# Altium PCB STB_SensorBoard.PcbDoc (part 1 of 4) (continued)
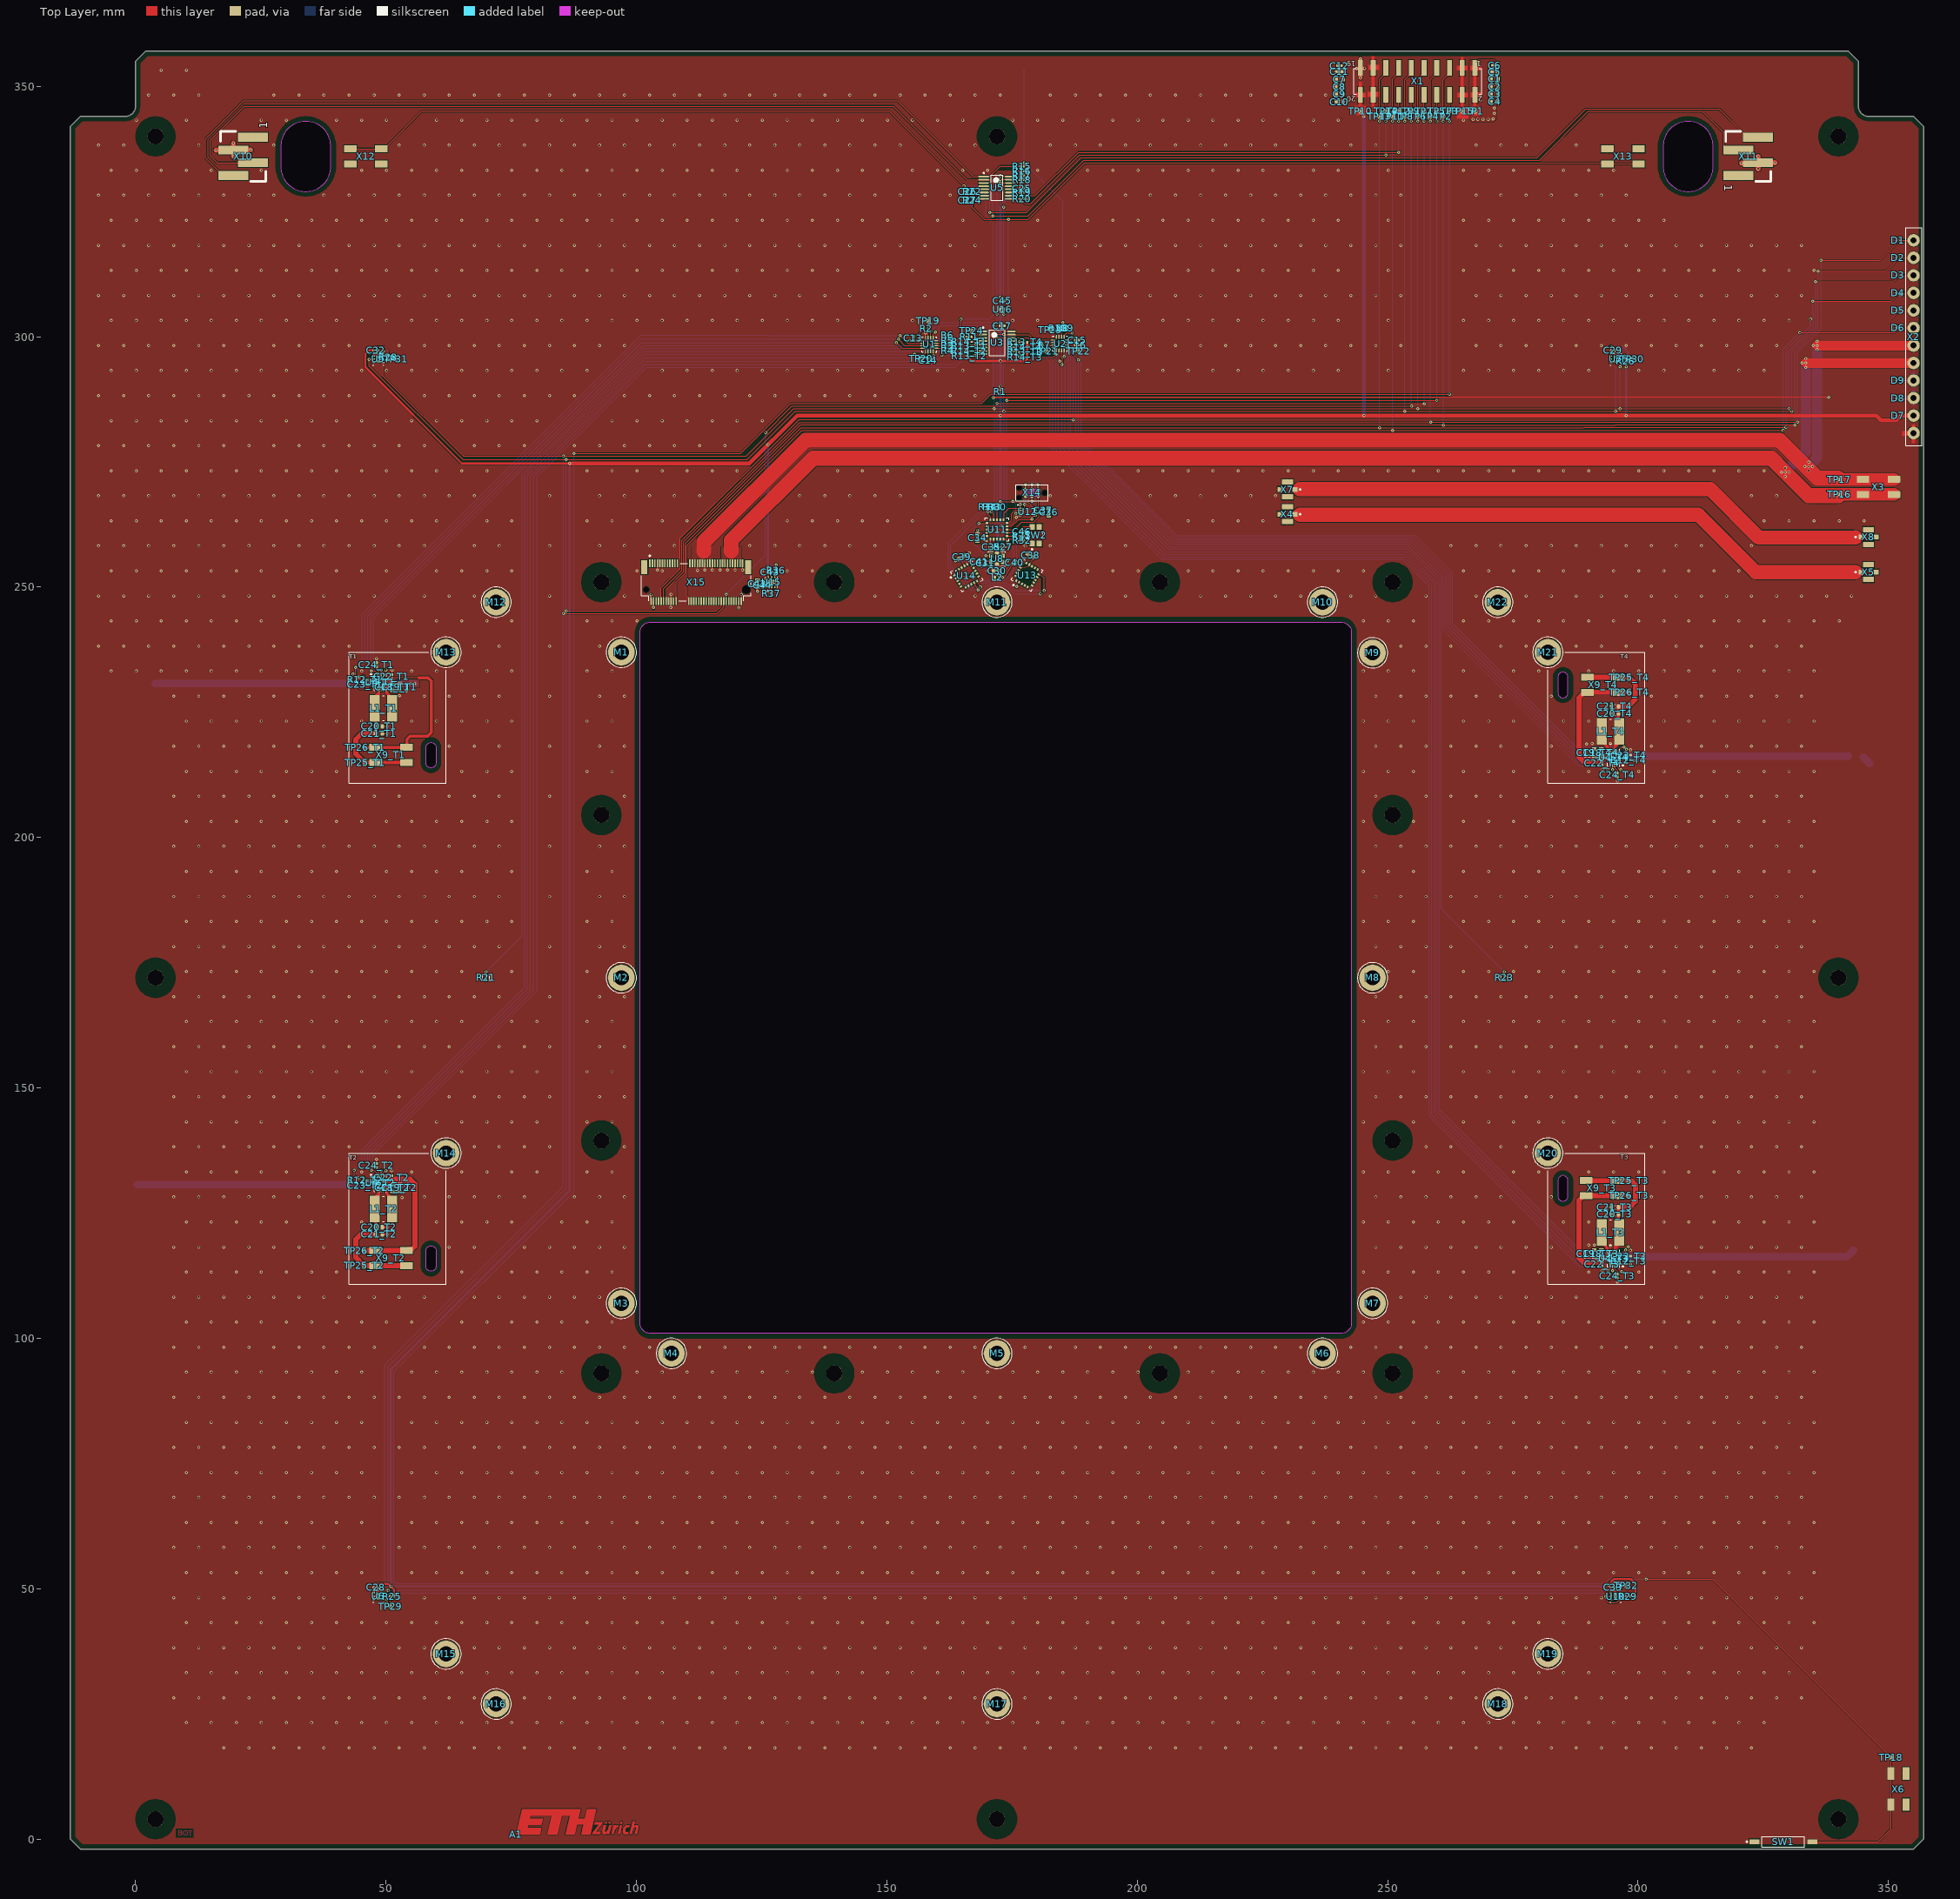
[diagram p0: Top Layer view]
## Part data (continued)
C6 C12 C13 C14 C15 C16 C17 C22_T1 C22_T2 C22_T3 C22_T4 C23_T1 C23_T2 C23_T3 C23_T4 C24_T1 C24_T2 C24_T3 C24_T4 C25 C28 C29 C31 C32 C33 C35 C37 C40 C41 C43 C44 C45 C46: library part CMP-2000-05439-1, "Chip Capacitor, 100 nF, +/- 10%, 16 V, -55 to 125 degC, 0402 (1005 Metric), RoHS, Tape and Reel", Capacitor Type=Ceramic, Case Size/Dimension=0402, Dielectric=X7R, Manufacturer="Samsung Electro-Mechanics", Manufacturer Part Number=CL05B104KO5NNNC, Max Operating Temperature=125°C, Min Operating Temperature=-55°C, Negative Tolerance=10%, Package Shape=Rectangular, Package Style=SMTMeter, Rated DC Voltage (URdc)=16V, Supplier Part Number 1=1276-1001-6-ND, Tolerance (%)=±10%, Category="Ceramic Capacitors", ComponentLink1Description=https://datasheet.ciiva.com:443/pdfs/VipMasterIC/IC/SEMS/SEMS-S-A0008384515/SEMS-S-A0008872921-1.pdf?src-supplier=IHS+Markit, ComponentLink1URL=https://datasheet.ciiva.com:443/pdfs/VipMasterIC/IC/SEMS/SEMS-S-A0008384515/SEMS-S-A0008872921-1.pdf?src-supplier=IHS+Markit, ComponentLink2Description=https://datasheet.ciiva.com/26920/getdatasheetpartid-359683-26920169.pdf?src-supplier=Verical, ComponentLink2URL=https://datasheet.ciiva.com/26920/getdatasheetpartid-359683-26920169.pdf?src-supplier=Verical, ComponentLink3Description=https://datasheet.ciiva.com/29198/458718-da-01-en-vs-kondensator-0402-29198423.pdf?src-supplier=Conrad, ComponentLink3URL=https://datasheet.ciiva.com/29198/458718-da-01-en-vs-kondensator-0402-29198423.pdf?src-supplier=Conrad, ComponentLink4Description=https://datasheet.ciiva.com/26309/mlcc-catalogdownload2013-eng-26309003.pdf?src-supplier=Distrelec, ComponentLink4URL=https://datasheet.ciiva.com/26309/mlcc-catalogdownload2013-eng-26309003.pdf?src-supplier=Distrelec, ComponentLink5Description=https://datasheet.ciiva.com/16208/cl05b104kq5nnnc-16208343.pdf?src-supplier=Future+Electronics, ComponentLink5URL=https://datasheet.ciiva.com/16208/cl05b104kq5nnnc-16208343.pdf?src-supplier=Future+Electronics, Datasheet URL=https://datasheet.ciiva.com/29198/458718-da-01-en-vs-kondensator-0402-29198423.pdf, Datasheet Version=Nov-10, Dielectric Material=Ceramic, Height=0.55mm, JESD-609 Code=e3, Length=1mm, Manufacturer URL=http://www.samsungsem.com/global/index.jsp, Mount="Surface Mount", Multilayer=Yes, Number of Pins=2, Packaging="Tape and Reel", Positive Tolerance=10%, Pricing 1="1=0.10000, 10=0.02400, 50=0.01300, 100=0.01050, 500=0.00752, 1000=0.00592, 2500=0.00538, 5000=0.00495 (USD)", Rated Voltage=16V, REACH SVHC=Yes, RoHS=Yes, RoHS Compliant=Yes, Size Code=0402, Stock 1=24854634, Supplier 1=Digi-Key, Temperature Characteristics Code=X7R, Terminal Finish=Nickel, Termination=Wraparound, Width=0.5mm
C26 C27: library part CMP-2008-02464-1, Capacitor Type=Ceramic, Manufacturer="AVX Interconnect / Elco", Manufacturer Part Number=04023A101KAT2A, Max Operating Temperature=125°C, Min Operating Temperature=-55°C, Negative Tolerance=10%, Package Shape=Rectangular, Package Style=SMTMeter, Rated DC Voltage (URdc)=25V, Supplier Part Number 1=478-12608-6-ND, Temperature Characteristics Code=C0G, Category="Ceramic Capacitors", ComponentLink1Description=https://datasheet.ciiva.com:443/pdfs/VipMasterIC/IC/AVXC/AVXC-S-A0008899940/AVXC-S-A0008899940-1.pdf?src-supplier=IHS+Markit, ComponentLink1URL=https://datasheet.ciiva.com:443/pdfs/VipMasterIC/IC/AVXC/AVXC-S-A0008899940/AVXC-S-A0008899940-1.pdf?src-supplier=IHS+Markit, ComponentLink2Description=https://datasheet.ciiva.com/26949/getdatasheetpartid-709922-26949850.pdf?src-supplier=Verical, ComponentLink2URL=https://datasheet.ciiva.com/26949/getdatasheetpartid-709922-26949850.pdf?src-supplier=Verical, ComponentLink3Description=https://datasheet.ciiva.com/206/ccog-206339.pdf?src-supplier=Digi-Key, ComponentLink3URL=https://datasheet.ciiva.com/206/ccog-206339.pdf?src-supplier=Digi-Key, ComponentLink4Description=https://datasheet.ciiva.com/7348/759117-7348584.pdf?src-supplier=Newark, ComponentLink4URL=https://datasheet.ciiva.com/7348/759117-7348584.pdf?src-supplier=Newark, ComponentLink5Description=https://datasheet.ciiva.com/2990/ccog-2990123.pdf?src-supplier=Avnet, ComponentLink5URL=https://datasheet.ciiva.com/2990/ccog-2990123.pdf?src-supplier=Avnet, ComponentLink6Description=https://datasheet.ciiva.com/28453/1796416-28453629.pdf?src-supplier=Element14, ComponentLink6URL=https://datasheet.ciiva.com/28453/1796416-28453629.pdf?src-supplier=Element14, Dielectric Material=Ceramic, Height=0.56mm, JESD-609 Code=e3, Length=1mm, Mount="Surface Mount", Multilayer=Yes, Number of Pins=2, Packaging="Tape and Reel", Part Number=04023A101KAT2A, Positive Tolerance=10%, Pricing 1="1=0.11000, 10=0.07800, 50=0.04240, 100=0.03460, 500=0.02474, 1000=0.01944, 2500=0.01768, 5000=0.01626 (USD)", REACH SVHC=Yes, RoHS=Yes, RoHS Compliant=Yes, Size Code=0402, Stock 1=32266, Supplier 1=Digi-Key, Terminal Finish=Nickel, Termination=Wraparound, Width=0.5mm
C30 C34 C36 C38 C39: library part CMP-2006-02298-2, Capacitor Type=Ceramic, Manufacturer=Kemet, Manufacturer Part Number=C0603C105K4RACTU, Max Operating Temperature=125°C, Min Operating Temperature=-55°C, Negative Tolerance=10%, Package Shape=Rectangular, Package Style=SMTMeter, Rated DC Voltage (URdc)=16V, Supplier Part Number 1=399-C0603C105K4RAC7867DKR-ND, Temperature Characteristics Code=X7R, Category="Ceramic Capacitors", ComponentLink1Description=https://datasheet.ciiva.com:443/pdfs/VipMasterIC/IC/KEME/KEME-S-A0008991654/KEME-S-A0008991654-1.pdf?src-supplier=IHS+Markit, ComponentLink1URL=https://datasheet.ciiva.com:443/pdfs/VipMasterIC/IC/KEME/KEME-S-A0008991654/KEME-S-A0008991654-1.pdf?src-supplier=IHS+Markit, Dielectric Material=Ceramic, Height=0.8mm, JESD-609 Code=e3, Length=1.6mm, Mount="Surface Mount", Multilayer=Yes, Number of Pins=2, Packaging="Tape and Reel", Part Number=C0603C105K4RACTU, Positive Tolerance=10%, Pricing 1="1=0.10000, 10=0.07700, 50=0.04180, 100=0.03410, 500=0.02440, 1000=0.01916 (USD)", REACH SVHC=Yes, RoHS=Yes, RoHS Compliant=Yes, Size Code=0603, Stock 1=1549593, Supplier 1=Digi-Key, Terminal Finish=Nickel, Termination=Wraparound, Width=0.8mm
D1 D2 D3 D4 D5 D6 D7: library part CMP-1063-00117-1, "Transient Voltage Suppressor, ESD Protection Diode with Ultra-Low Leakage, 2-Pin SOD-923, Pb-Free, Tape and Reel", Breakdown Voltage-Nom=4.8V, Clamping Voltage-Max=7.8V, Manufacturer="On Semiconductor", Manufacturer Part Number=SZESD9R3.3ST5G, Rep Pk Reverse Voltage-Max=3.3V, Supplier Part Number 1=SZESD9R3.3ST5GOSDKR-ND, C Max (pF)=0.9, Category="ESD and Circuit Protection ICs", ComponentLink1Description="Manufacturer URL", ComponentLink1URL=http://www.onsemi.com/, ComponentLink2Description=Datasheet, ComponentLink2URL=http://www.onsemi.com/pub_link/Collateral/ESD9R3.3S-D.PDF, ComponentLink3Description="Package Specification", ComponentLink3URL=http://www.onsemi.com/pub_link/Collateral/514AB.PDF, ComponentLink4Description=https://datasheet.ciiva.com:443/pdfs/VipMasterIC/IC/ONSM/ONSM-S-A0003514262/ONSM-S-A0003583458-1.pdf?src-supplier=IHS+Markit, ComponentLink4URL=https://datasheet.ciiva.com:443/pdfs/VipMasterIC/IC/ONSM/ONSM-S-A0003514262/ONSM-S-A0003583458-1.pdf?src-supplier=IHS+Markit, ComponentLink5Description=https://datasheet.ciiva.com/24087/esd9r3-3s-d-241663-24087547.pdf?src-supplier=Mouser, ComponentLink5URL=https://datasheet.ciiva.com/24087/esd9r3-3s-d-241663-24087547.pdf?src-supplier=Mouser, DatasheetVersion="Rev. 1", Diode Type="TRANS VOLTAGE SUPPRESSOR", Direction=Unidirectional, IR Max (uA)=0.001, JESD-609 Code=e3, Moisture Sensitivity Level=1, Mounting Technology="Surface Mount", Number of Lines=1, PackageDescription="2-Pin SOD, Body 0.8 x 0.6 mm", PackageReference=SOD-923-2-514AB-01, PackageVersion="Rev. C, 03/2011", Packing="Tape and Reel", PartNumber=ESD9R3.3ST5G, Polarity=Unidirectional, Pricing 1="1=0.61000, 10=0.52500, 100=0.39180, 500=0.30782, 1000=0.23786, 2000=0.21688 (USD)", REACH SVHC=Yes, RoHS=Pb-Free, RoHS Compliant=Yes, Stock 1=31698, Supplier 1=Digi-Key, Surface Mount=Yes, Terminal Finish=Tin, V(BR) Min (V)=4.8, VRWM Max (V)=3.3
D8: library part CMP-1063-00110-1, "Transient Voltage Suppressor, Micro-Packaged Diode for ESD Protection, 2-Pin SOD-923, Pb-Free, Tape and Reel", Manufacturer="On Semiconductor", Max Operating Temperature=150°C, Max Power Dissipation=150mW, Min Breakdown Voltage=11V, Min Operating Temperature=-55°C, Package Body Material=Plastic, Package Shape=Rectangular, Package Style="SMALL OUTLINEMeter", Peak Reflow Temperature (Cel)=260°C, Rep Pk Reverse Voltage-Max=5V, Supplier Part Number 1=ESD9C5.0ST5GOSDKR-ND, Time @ Peak Reflow Temperature-Max (s)=40s, C Max (pF)=6.2, Category="ESD and Circuit Protection ICs", ComponentLink1Description="Manufacturer URL", ComponentLink1URL=http://www.onsemi.com/, ComponentLink2Description=Datasheet, ComponentLink2URL=http://www.onsemi.cn/pub_link/Collateral/ESD9C3.3S-D.PDF, ComponentLink3Description="Package Specification", ComponentLink3URL=http://www.onsemi.com/pub_link/Collateral/514AB.PDF, ComponentLink4Description=https://datasheet.ciiva.com:443/pdfs/VipMasterIC/IC/ONSM/ONSM-S-A0003514262/ONSM-S-A0003579756-1.pdf?src-supplier=IHS+Markit, ComponentLink4URL=https://datasheet.ciiva.com:443/pdfs/VipMasterIC/IC/ONSM/ONSM-S-A0003514262/ONSM-S-A0003579756-1.pdf?src-supplier=IHS+Markit, ComponentLink5Description=https://datasheet.ciiva.com/1219/1748974-1219321.pdf?src-supplier=Newark, ComponentLink5URL=https://datasheet.ciiva.com/1219/1748974-1219321.pdf?src-supplier=Newark, ComponentLink6Description=https://datasheet.ciiva.com/4509/esd9c3-3s-d-241629-4509822.pdf?src-supplier=Mouser, ComponentLink6URL=https://datasheet.ciiva.com/4509/esd9c3-3s-d-241629-4509822.pdf?src-supplier=Mouser, ComponentLink7Description=https://datasheet.ciiva.com/15143/getdatasheetpartid-53763-15143125.pdf?src-supplier=Verical, ComponentLink7URL=https://datasheet.ciiva.com/15143/getdatasheetpartid-53763-15143125.pdf?src-supplier=Verical, ComponentLink8Description=https://datasheet.ciiva.com/339/esd9c3-3s-d-339778.pdf?src-supplier=Digi-Key, ComponentLink8URL=https://datasheet.ciiva.com/339/esd9c3-3s-d-339778.pdf?src-supplier=Digi-Key, ComponentLink9Description=https://datasheet.ciiva.com/11195/esd9c3-3s-d-11195341.pdf?src-supplier=Avnet, ComponentLink9URL=https://datasheet.ciiva.com/11195/esd9c3-3s-d-11195341.pdf?src-supplier=Avnet, ComponentLink10Description=https://datasheet.ciiva.com/339/esd9c3-3s-d-339779.pdf?src-supplier=Digi-Key, ComponentLink10URL=https://datasheet.ciiva.com/339/esd9c3-3s-d-339779.pdf?src-supplier=Digi-Key, ComponentLink11Description=https://datasheet.ciiva.com/339/esd9c3-3s-d-339780.pdf?src-supplier=Digi-Key, ComponentLink11URL=https://datasheet.ciiva.com/339/esd9c3-3s-d-339780.pdf?src-supplier=Digi-Key, DatasheetVersion="Rev. 3", Diode Element Material=SILICON, Diode Type="TRANS VOLTAGE SUPPRESSOR", Direction=Unidirectional, IR Max (uA)=0.5, JESD-30 Code=R-PDSO-F2, JESD-609 Code=e3, Manufacturer Part Number=ESD9C5.0ST5G, Moisture Sensitivity Level=1, Mounting Technology="Surface Mount", Number of Elements=1, Number of Lines=1, Number of Pins=2, PackageDescription="2-Pin SOD, Body 0.8 x 0.6 mm", PackageReference=SOD-923-2-514AB-01, PackageVersion="Rev. C, 03/2011", Packing="Tape and Reel", PartNumber=ESD9C5.0ST5G, Polarity=Unidirectional, Pricing 1="1=0.38000, 10=0.30900, 100=0.16370, 500=0.10772, 1000=0.07325, 2000=0.06607 (USD)", Qualification Status="Not Qualified", REACH SVHC=Yes, Reference Standard=AEC-Q101, RoHS=Pb-Free, RoHS Compliant=Yes, Stock 1=345553, Supplier 1=Digi-Key, Surface Mount=Yes, Technology=AVALANCHE, Terminal Finish=Tin, Terminal Form=Flat, Terminal Position=DUAL, V(BR) Min (V)=11, VRWM Max (V)=5
D9: library part CMP-1063-00105-1, "Transient Voltage Suppressor, Micro-Packaged Diode for ESD Protection, 2-Pin SOD-923, Pb-Free, Tape and Reel", Clamping Voltage-Max=23.7V, Manufacturer="On Semiconductor", Max Operating Temperature=150°C, Max Power Dissipation=150mW, Min Breakdown Voltage=13.5V, Min Operating Temperature=-55°C, Non-rep Peak Rev Power Dis-Max=140W, Package Body Material=Plastic, Package Shape=Rectangular, Package Style="SMALL OUTLINEMeter", Peak Reflow Temperature (Cel)=260°C, Rep Pk Reverse Voltage-Max=12V, Time @ Peak Reflow Temperature-Max (s)=40s, Category="ESD and Circuit Protection ICs", ComponentLink1Description="Manufacturer URL", ComponentLink1URL=http://www.onsemi.com/, ComponentLink2Description=Datasheet, ComponentLink2URL=http://www.onsemi.com/pub_link/Collateral/ESD9X3.3ST5G-D.PDF, ComponentLink3Description="Package Specification", ComponentLink3URL=http://www.onsemi.com/pub_link/Collateral/514AA.PDF, ComponentLink4Description=https://datasheet.ciiva.com:443/pdfs/VipMasterIC/IC/ONSM/ONSM-S-A0003579749/ONSM-S-A0003579749-1.pdf?src-supplier=IHS+Markit, ComponentLink4URL=https://datasheet.ciiva.com:443/pdfs/VipMasterIC/IC/ONSM/ONSM-S-A0003579749/ONSM-S-A0003579749-1.pdf?src-supplier=IHS+Markit, ComponentLink5Description=https://datasheet.ciiva.com/6577/esd9x3-3st5g-d-6577990.pdf?src-supplier=Digi-Key, ComponentLink5URL=https://datasheet.ciiva.com/6577/esd9x3-3st5g-d-6577990.pdf?src-supplier=Digi-Key, ComponentLink6Description=https://datasheet.ciiva.com/16393/esd9x3-3st5g-d-16393983.pdf?src-supplier=Future+Electronics, ComponentLink6URL=https://datasheet.ciiva.com/16393/esd9x3-3st5g-d-16393983.pdf?src-supplier=Future+Electronics, ComponentLink7Description=https://datasheet.ciiva.com/353/esd9x3-3st5g-d-353784.pdf?src-supplier=Digi-Key, ComponentLink7URL=https://datasheet.ciiva.com/353/esd9x3-3st5g-d-353784.pdf?src-supplier=Digi-Key, ComponentLink8Description=https://datasheet.ciiva.com/353/esd9x3-3st5g-d-353785.pdf?src-supplier=Digi-Key, ComponentLink8URL=https://datasheet.ciiva.com/353/esd9x3-3st5g-d-353785.pdf?src-supplier=Digi-Key, DatasheetVersion="Rev. 7", Diode Element Material=SILICON, Diode Type="TRANS VOLTAGE SUPPRESSOR", Direction=Unidirectional, IR Max (uA)=1, JESD-30 Code=R-PDSO-F2, JESD-609 Code=e3, Manufacturer Part Number=ESD9X12ST5G, Moisture Sensitivity Level=1, Mounting Technology="Surface Mount", Number of Elements=1, Number of Lines=1, Number of Pins=2, PackageDescription="2-Pin SOD, Body 0.8 x 0.6 mm", PackageReference=SOD-923-2-514AA-01, PackageVersion="Rev. E, 03/2011", Packing="Tape and Reel", PartNumber=ESD9X12ST5G, Polarity=Unidirectional, PPK Max (W)=140, Pricing 2="1=0.30000, 10=0.24400, 100=0.12930, 500=0.08506, 1000=0.05784, 2000=0.05218 (USD)", Qualification Status="Not Qualified", REACH SVHC=Yes, RoHS=Pb-Free, RoHS Compliant=Yes, Stock 2=71759, Supplier 1=Digi-Key, Supplier 2=Digi-Key, Supplier Part Number 2=ESD9X12ST5GOSDKR-ND, Surface Mount=Yes, Technology=AVALANCHE, Terminal Finish=Tin, Terminal Form=Flat, Terminal Position=DUAL, V(BR) Min (V)=13.5, VRWM Max (V)=12
L1_T1 L1_T2 L1_T3 L1_T4: library part CMP-0227-00328-1, "SMD Shielded Tiny Power Inductor WE-TPC, L = 1.00 µH", Case/Size Code=1919, DC Resistance (DCR)=30mR, Inductance-Nom (L)=1uH, Inductor Application="POWER INDUCTOR", Inductor Type="GENERAL PURPOSE INDUCTOR", Manufacturer="Wurth Electronics", Max Operating Temperature=115°C, Min Operating Temperature=-40°C, Package Height=1.8mm, Package Length=4.8mm, Package Style=SMTMeter, Rated Current-Max=2.7A, Self Resonant Frequency=177MHz, Supplier Part Number 1=732-1016-6-ND, Test Frequency=100kHz, Tolerance=30%, Category="Fixed Inductors", ComponentLink1Description="Manufacturer Link", ComponentLink1URL=http://www.we-online.com, ComponentLink2Description=Datasheet, ComponentLink2URL=http://www.we-online.de/katalog/media/pdf/744042001.pdf, ComponentLink3Description=https://datasheet.ciiva.com:443/pdfs/VipMasterIC/IC/MIDC/MIDC-S-A0002801410/MIDC-S-A0002801410-1.pdf?src-supplier=IHS+Markit, ComponentLink3URL=https://datasheet.ciiva.com:443/pdfs/VipMasterIC/IC/MIDC/MIDC-S-A0002801410/MIDC-S-A0002801410-1.pdf?src-supplier=IHS+Markit, ComponentLink4Description=https://datasheet.ciiva.com/1050/744042001-1050944.pdf?src-supplier=Digi-Key, ComponentLink4URL=https://datasheet.ciiva.com/1050/744042001-1050944.pdf?src-supplier=Digi-Key, ComponentLink5Description=https://datasheet.ciiva.com/13320/744042001-88941-13320769.pdf?src-supplier=Mouser, ComponentLink5URL=https://datasheet.ciiva.com/13320/744042001-88941-13320769.pdf?src-supplier=Mouser, ComponentLink6Description=https://datasheet.ciiva.com/11800/0900766b8079f7ba-11800328.pdf?src-supplier=RSComponents, ComponentLink6URL=https://datasheet.ciiva.com/11800/0900766b8079f7ba-11800328.pdf?src-supplier=RSComponents, ComponentLink7Description=https://datasheet.ciiva.com/48690/001087162-da-01-ml-we-tpc-smd-speicherdrossel-7440420-de-en-48690965.pdf?src-supplier=Conrad, ComponentLink7URL=https://datasheet.ciiva.com/48690/001087162-da-01-ml-we-tpc-smd-speicherdrossel-7440420-de-en-48690965.pdf?src-supplier=Conrad, Construction=Chip, Core Material=Ferrite, DatasheetVersion="ver 6, Aug-2010", JESD-609 Code=e3, Manufacturer Part Number=744042001, Number of Functions=1, Number of Pins=2, Package Width=4.8mm, PackageDescription="SMD Inductor, 2-Leads, Body 4.8 x 4.8 mm", PackageReference=WE-TPC-4818-M, PackageVersion=2010, Packaging="Tape and Reel", Pricing 1="1=1.53000, 10=1.48100, 50=1.29600, 100=1.18500 (USD)", REACH SVHC=Yes, RoHS=Yes, RoHS Compliant=Yes, Shape/Size Description="RECTANGULAR PACKAGE", Shielding=Unshielded, Stock 1=38231, Supplier 1=Digi-Key, Surface Mount=Yes, Terminal Finish=Tin, Terminal Placement="Dual Ended", Termination="One Surface"
L2: library part CMP-00193-1, "30 Ohm 1 Power, Signal Line Ferrite Bead 0402 (1005 Metric) 500mA 300 mOhm Max DCR", Current Rating (Max)=500mA, DC Resistance (DCR) (Max)="300 mOhm", Impedance @ Frequency="30 Ohm @ 100MHz", Manufacturer="Laird-Signal Integrity Products", Operating Temperature="-40°C ~ 125°C", Package / Case="0402 (1005 Metric)", Ratings=-, Supplier Part Number=240-2362-1-ND, ComponentLink1Description=Catalog_EMI%20Filtering%20&%20RF%20Inductors.pdf, ComponentLink1URL=http://cdn.lairdtech.com/home/brandworld/files/Catalog_EMI%20Filtering%20&%20RF%20Inductors.pdf, Filter Type="Power, Signal Line", Manufacturer Part Number=LI0402E300R-10, Mounting Type="Surface Mount", Number of Lines=1, Packaging="Cut Tape (CT)", Part Status=Active, Supplier=Digi-Key
M1 M2 M3 M4 M5 M6 M7 M8 M9 M10 M11 M12 M13 M14 M15 M16 M17 M18 M19 M20 M21 M22: library part CMP-01222-1, "RND STANDOFF M2X0.4 STEEL 1.5MM", Manufacturer="Wurth Electronics", Supplier Part Number 1=732-7069-1-ND, Category="Spacers, Standoffs", ComponentLink1Description=http://www.mouser.com/ds/2/445/9774015243R-611439.pdf?src-supplier=Mouser, ComponentLink1URL=http://www.mouser.com/ds/2/445/9774015243R-611439.pdf?src-supplier=Mouser, ComponentLink2Description=http://www.farnell.com/datasheets/1960361.pdf?src-supplier=Farnell, ComponentLink2URL=http://www.farnell.com/datasheets/1960361.pdf?src-supplier=Farnell, ComponentLink3Description=https://media.digikey.com/pdf/Data%20Sheets/Wurth%20Electronics%20PDFs/WA-SMSx_Performance_Flyer.pdf?src-supplier=Digi-Key, ComponentLink3URL=https://media.digikey.com/pdf/Data%20Sheets/Wurth%20Electronics%20PDFs/WA-SMSx_Performance_Flyer.pdf?src-supplier=Digi-Key, ComponentLink4Description=http://www.farnell.com/datasheets/1960361.pdf?src-supplier=Element14, ComponentLink4URL=http://www.farnell.com/datasheets/1960361.pdf?src-supplier=Element14, ComponentLink5Description=https://katalog.we-online.de/em/datasheet/9774015243R.pdf?src-supplier=Digi-Key, ComponentLink5URL=https://katalog.we-online.de/em/datasheet/9774015243R.pdf?src-supplier=Digi-Key, ComponentLink6Description=http://www.farnell.com/datasheets/1960361.pdf?src-supplier=Newark, ComponentLink6URL=http://www.farnell.com/datasheets/1960361.pdf?src-supplier=Newark, Length=0.114inch, Manufacturer Part Number=9774015243R, Material=Steel, Outside Diameter=0.171inch, Plating=Tin, Pricing 1="1=1.09000, 10=1.03000, 50=0.91800, 100=0.84000, 500=0.78400 (USD)", REACH SVHC=Unknown, RoHS=Yes, Stock 1=6453, Supplier 1=Digi-Key, Threaded/Unthreaded=Threaded
R1 R2 R7 R11 R12_T1 R12_T2 R12_T3 R12_T4 R13_T1 R13_T2 R13_T3 R13_T4 R14_T1 R14_T2 R14_T3 R14_T4 R19 R20 R25 R26 R27 R28 R29 R30 R31 R32 R33 R34: library part CMP-2000-07588-1, "Chip Resistor, 10 KOhm, +/- 1%, 0.1 W, -55 to 155 degC, 0402 (1005 Metric), RoHS, Tape and Reel", Case Code (Imperial)=0402, Case Code (Metric)=1005, Manufacturer=Panasonic, Manufacturer Part Number=ERJ-2RKF1002X, Max Operating Temperature=155degC, Max Power Dissipation=100mW, Min Operating Temperature=-55degC, Package Description="2-Pin Surface Mount Device, Body 1 x 0.5 mm", Package Height=0.35mm, Package Length=1mm, Package Quantity=1, Package Reference=402, Package Shape=Rectangular, Package Style=SMTMeter, Package Width=0.5mm, Rated Temperature=70°C, Resistor Type="FIXED RESISTOR", Supplier Part Number 1=P10.0KLDKR-ND, Temperature Coefficient=100ppm\/degreesC, Tolerance=1%, Voltage Rating=50V, Case\/Package=0402, Category="Chip SMD Resistors", ComponentLink1Description=https://datasheet.ciiva.com:443/pdfs/VipMasterIC/IC/PANA/PANA-S-A0009889626/PANA-S-A0009889626-1.pdf?src-supplier=IHS+Markit, ComponentLink1URL=https://datasheet.ciiva.com:443/pdfs/VipMasterIC/IC/PANA/PANA-S-A0009889626/PANA-S-A0009889626-1.pdf?src-supplier=IHS+Markit, ComponentLink2Description=https://datasheet.ciiva.com/11821/0900766b80f80784-11821171.pdf?src-supplier=RSComponents, ComponentLink2URL=https://datasheet.ciiva.com/11821/0900766b80f80784-11821171.pdf?src-supplier=RSComponents, ComponentLink3Description=https://datasheet.ciiva.com/27055/1987020-27055643.pdf?src-supplier=Jameco, ComponentLink3URL=https://datasheet.ciiva.com/27055/1987020-27055643.pdf?src-supplier=Jameco, ComponentLink4Description=https://datasheet.ciiva.com/43467/1678782-43467402.pdf?src-supplier=Farnell, ComponentLink4URL=https://datasheet.ciiva.com/43467/1678782-43467402.pdf?src-supplier=Farnell, ComponentLink5Description=https://datasheet.ciiva.com/28514/1678782-28514185.pdf?src-supplier=Element14, ComponentLink5URL=https://datasheet.ciiva.com/28514/1678782-28514185.pdf?src-supplier=Element14, ComponentLink6Description=https://datasheet.ciiva.com/24023/aoa0000ce2-24023017.pdf?src-supplier=Mouser, ComponentLink6URL=https://datasheet.ciiva.com/24023/aoa0000ce2-24023017.pdf?src-supplier=Mouser, ComponentLink7Description=https://datasheet.ciiva.com/16782/70260748-16782590.pdf?src-supplier=Allied+Electronics, ComponentLink7URL=https://datasheet.ciiva.com/16782/70260748-16782590.pdf?src-supplier=Allied+Electronics, ComponentLink8Description=https://datasheet.ciiva.com/16786/70260748-16786734.pdf?src-supplier=Allied+Electronics, ComponentLink8URL=https://datasheet.ciiva.com/16786/70260748-16786734.pdf?src-supplier=Allied+Electronics, ComponentLink9Description=https://datasheet.ciiva.com/9194/aoa0000ce2-9194142.pdf?src-supplier=Avnet, ComponentLink9URL=https://datasheet.ciiva.com/9194/aoa0000ce2-9194142.pdf?src-supplier=Avnet, ComponentLink10Description=https://datasheet.ciiva.com/16199/aoa0000ce2-16199478.pdf?src-supplier=Future+Electronics, ComponentLink10URL=https://datasheet.ciiva.com/16199/aoa0000ce2-16199478.pdf?src-supplier=Future+Electronics, ComponentLink11Description=https://datasheet.ciiva.com/48531/aoa0000ce2-48531069.pdf?src-supplier=Avnet, ComponentLink11URL=https://datasheet.ciiva.com/48531/aoa0000ce2-48531069.pdf?src-supplier=Avnet, ComponentLink12Description=https://datasheet.ciiva.com/30201/aoa0000ce2-30201022.pdf?src-supplier=Onlinecomponents.com, ComponentLink12URL=https://datasheet.ciiva.com/30201/aoa0000ce2-30201022.pdf?src-supplier=Onlinecomponents.com, Composition=ThickFilm, Construction=Rectangular, Contact Plating=Tin, Datasheet URL=https://industrial.panasonic.com/cdbs/www-data/pdf/RDA0000/AOA0000C304.pdf, Datasheet Version=02/2017, Depth=0.5mm, Height=0.35mm, JESD-609 Code=e3, Lead Free=LeadFree, Length=1mm, Manufacturer URL=http://www.panasonic.com/, Military Standard=Not, Mount=SurfaceMount, Mounting Technology=SurfaceMount, Number of Pins=2, Number of Terminations=2, Packaging=TapeandReel, Power Rating=100mW, Pricing 1="1=0.10000, 10=0.03300, 100=0.01330, 1000=0.00599, 2500=0.00520, 5000=0.00429 (USD)", Radiation Hardening=No, Rated Power Dissipation (P)=100mW, REACH SVHC=NoSVHC, Reference Standard=AEC-Q200, RoHS=Yes, RoHS Compliant=Yes, RoHSCompliant=True, Size Code=0402, Stock 1=108, Supplier 1=Digi-Key, Technology="METAL GLAZE/THICK FILM", Terminal Finish=Nickel, Termination=SMD/SMT, Voltage Rating (DC)=50V, Width=0.02inch, Working Voltage=50V
R3 R4 R6 R9 R10 R36: library part CMP-2002-07343-1, Manufacturer="Yageo / Phycomp", Manufacturer Part Number=RC0402FR-07100KL, Max Operating Temperature=155°C, Min Operating Temperature=-55°C, Package Height=0.35mm, Package Length=1mm, Package Shape=Rectangular, Package Style=SMTMeter, Package Width=0.5mm, Rated Power Dissipation (P)=62.5mW, Rated Temperature=70°C, Resistor Type="FIXED RESISTOR", Supplier Part Number 1=311-100KLRDKR-ND, Temperature Coefficient=100ppm/°C, Tolerance=1%, Working Voltage=50V, Additional Feature="LASER TRIMMABLE", Category="Chip SMD Resistors", ComponentLink1Description=https://datasheet.ciiva.com:443/pdfs/VipMasterIC/IC/YAGO/YAGO-S-A0008145938/YAGO-S-A0008145938-1.pdf?src-supplier=IHS+Markit, ComponentLink1URL=https://datasheet.ciiva.com:443/pdfs/VipMasterIC/IC/YAGO/YAGO-S-A0008145938/YAGO-S-A0008145938-1.pdf?src-supplier=IHS+Markit, Construction=Chip, JESD-609 Code=e3, Mount="Surface Mount", Number of Pins=2, Packaging="Tape and Reel", Part Number=RC0402FR-07100KL, Pricing 1="1=0.10000, 10=0.01500, 100=0.00600, 1000=0.00267, 2500=0.00232, 5000=0.00192 (USD)", REACH SVHC=Yes, RoHS=Yes, RoHS Compliant=Yes, Size Code=0402, Stock 1=43269933, Supplier 1=Digi-Key, Technology="METAL GLAZE/THICK FILM", Terminal Finish=Nickel, Termination=Wraparound
R5: library part CMP-2002-07497-1, Manufacturer="Yageo / Phycomp", Manufacturer Part Number=RC0402FR-07200KL, Max Operating Temperature=155°C, Min Operating Temperature=-55°C, Package Height=0.35mm, Package Length=1mm, Package Shape=Rectangular, Package Style=SMTMeter, Package Width=0.5mm, Rated Power Dissipation (P)=62.5mW, Rated Temperature=70°C, Resistor Type="FIXED RESISTOR", Supplier Part Number 1=311-200KLRDKR-ND, Temperature Coefficient=100ppm/°C, Tolerance=1%, Working Voltage=50V, Additional Feature="LASER TRIMMABLE", Category="Chip SMD Resistors", ComponentLink1Description=https://datasheet.ciiva.com:443/pdfs/VipMasterIC/IC/YAGO/YAGO-S-A0008145938/YAGO-S-A0008145938-1.pdf?src-supplier=IHS+Markit, ComponentLink1URL=https://datasheet.ciiva.com:443/pdfs/VipMasterIC/IC/YAGO/YAGO-S-A0008145938/YAGO-S-A0008145938-1.pdf?src-supplier=IHS+Markit, ComponentLink2Description=https://datasheet.ciiva.com/7849/1018594-7849897.pdf?src-supplier=Element14, ComponentLink2URL=https://datasheet.ciiva.com/7849/1018594-7849897.pdf?src-supplier=Element14, ComponentLink3Description=https://datasheet.ciiva.com/7849/1018594-7849896.pdf?src-supplier=Element14, ComponentLink3URL=https://datasheet.ciiva.com/7849/1018594-7849896.pdf?src-supplier=Element14, ComponentLink4Description=https://datasheet.ciiva.com/46394/1018594-46394953.pdf?src-supplier=Element14, ComponentLink4URL=https://datasheet.ciiva.com/46394/1018594-46394953.pdf?src-supplier=Element14, ComponentLink5Description=https://datasheet.ciiva.com/2453/pyu-r-int-thick-7-2453557.pdf?src-supplier=Digi-Key, ComponentLink5URL=https://datasheet.ciiva.com/2453/pyu-r-int-thick-7-2453557.pdf?src-supplier=Digi-Key, ComponentLink6Description=https://datasheet.ciiva.com/2453/pyu-r-int-thick-7-2453558.pdf?src-supplier=Digi-Key, ComponentLink6URL=https://datasheet.ciiva.com/2453/pyu-r-int-thick-7-2453558.pdf?src-supplier=Digi-Key, ComponentLink7Description=https://datasheet.ciiva.com/2453/pyu-r-int-thick-7-2453556.pdf?src-supplier=Digi-Key, ComponentLink7URL=https://datasheet.ciiva.com/2453/pyu-r-int-thick-7-2453556.pdf?src-supplier=Digi-Key, ComponentLink8Description=https://datasheet.ciiva.com/12667/pyu-rc0402-51-rohs-l-6-r-12667911.pdf?src-supplier=Mouser, ComponentLink8URL=https://datasheet.ciiva.com/12667/pyu-rc0402-51-rohs-l-6-r-12667911.pdf?src-supplier=Mouser, ComponentLink9Description=https://datasheet.ciiva.com/15189/getdatasheetpartid-323720-15189381.pdf?src-supplier=Verical, ComponentLink9URL=https://datasheet.ciiva.com/15189/getdatasheetpartid-323720-15189381.pdf?src-supplier=Verical, ComponentLink10Description=https://datasheet.ciiva.com/16740/pyu-rc0402-51-rohs-l-6-r-16740636.pdf?src-supplier=Future+Electronics, ComponentLink10URL=https://datasheet.ciiva.com/16740/pyu-rc0402-51-rohs-l-6-r-16740636.pdf?src-supplier=Future+Electronics, Construction=Chip, JESD-609 Code=e3, Mount="Surface Mount", Number of Pins=2, Packaging="Tape and Reel", Part Number=RC0402FR-07200KL, Pricing 1="1=0.10000, 10=0.01500, 100=0.00600, 1000=0.00267, 2500=0.00232, 5000=0.00192 (USD)", REACH SVHC=Yes, RoHS=Yes, RoHS Compliant=Yes, Size Code=0402, Stock 1=2033311, Supplier 1=Digi-Key, Technology="METAL GLAZE/THICK FILM", Terminal Finish=Nickel, Termination=Wraparound
R8: library part CMP-2002-01162-1, Manufacturer=Panasonic, Manufacturer Part Number=ERJ-2RKF5603X, Max Operating Temperature=155°C, Min Operating Temperature=-55°C, Package Height=0.35mm, Package Length=1mm, Package Shape=Rectangular, Package Style=SMTMeter, Package Width=0.5mm, Part Number=ERJ2RKF5603X, Rated Power Dissipation (P)=100mW, Rated Temperature=70°C, Resistor Type="FIXED RESISTOR", Supplier Part Number 1=P560KLDKR-ND, Temperature Coefficient=100ppm/°C, Tolerance=1%, Working Voltage=50V, Category="Chip SMD Resistors", ComponentLink1Description=https://datasheet.ciiva.com:443/pdfs/VipMasterIC/IC/PANA/PANA-S-A0009889626/PANA-S-A0009889626-1.pdf?src-supplier=IHS+Markit, ComponentLink1URL=https://datasheet.ciiva.com:443/pdfs/VipMasterIC/IC/PANA/PANA-S-A0009889626/PANA-S-A0009889626-1.pdf?src-supplier=IHS+Markit, ComponentLink2Description=https://datasheet.ciiva.com/11821/0900766b80f80784-11821338.pdf?src-supplier=RSComponents, ComponentLink2URL=https://datasheet.ciiva.com/11821/0900766b80f80784-11821338.pdf?src-supplier=RSComponents, ComponentLink3Description=https://datasheet.ciiva.com/6075/aoa0000ce2-6075366.pdf?src-supplier=Farnell, ComponentLink3URL=https://datasheet.ciiva.com/6075/aoa0000ce2-6075366.pdf?src-supplier=Farnell, ComponentLink4Description=https://datasheet.ciiva.com/7710/aoa0000ce2-7710746.pdf?src-supplier=Element14, ComponentLink4URL=https://datasheet.ciiva.com/7710/aoa0000ce2-7710746.pdf?src-supplier=Element14, ComponentLink5Description=https://datasheet.ciiva.com/22687/1678782-22687463.pdf?src-supplier=Element14, ComponentLink5URL=https://datasheet.ciiva.com/22687/1678782-22687463.pdf?src-supplier=Element14, ComponentLink6Description=https://datasheet.ciiva.com/24026/aoa0000ce2-24026571.pdf?src-supplier=Mouser, ComponentLink6URL=https://datasheet.ciiva.com/24026/aoa0000ce2-24026571.pdf?src-supplier=Mouser, ComponentLink7Description=https://datasheet.ciiva.com/16771/70260748-16771559.pdf?src-supplier=Allied+Electronics, ComponentLink7URL=https://datasheet.ciiva.com/16771/70260748-16771559.pdf?src-supplier=Allied+Electronics, ComponentLink8Description=https://datasheet.ciiva.com/16758/70260748-16758700.pdf?src-supplier=Allied+Electronics, ComponentLink8URL=https://datasheet.ciiva.com/16758/70260748-16758700.pdf?src-supplier=Allied+Electronics, ComponentLink9Description=https://datasheet.ciiva.com/9181/aoa0000ce2-9181118.pdf?src-supplier=Avnet, ComponentLink9URL=https://datasheet.ciiva.com/9181/aoa0000ce2-9181118.pdf?src-supplier=Avnet, Construction=Rectangular, JESD-609 Code=e3, Mount="Surface Mount", Number of Pins=2, Packaging="Tape and Reel", Pricing 1="1=0.10000, 10=0.03300, 100=0.01330, 1000=0.00599, 2500=0.00520, 5000=0.00429 (USD)", REACH SVHC=Yes, Reference Standard=AEC-Q200, RoHS=Yes, RoHS Compliant=Yes, Size Code=0402, Stock 1=874640, Supplier 1=Digi-Key, Technology="METAL GLAZE/THICK FILM", Terminal Finish=Nickel, Termination=Wraparound